# Altium PCB PCB1.PcbDoc (part 1 of 2) (continued)
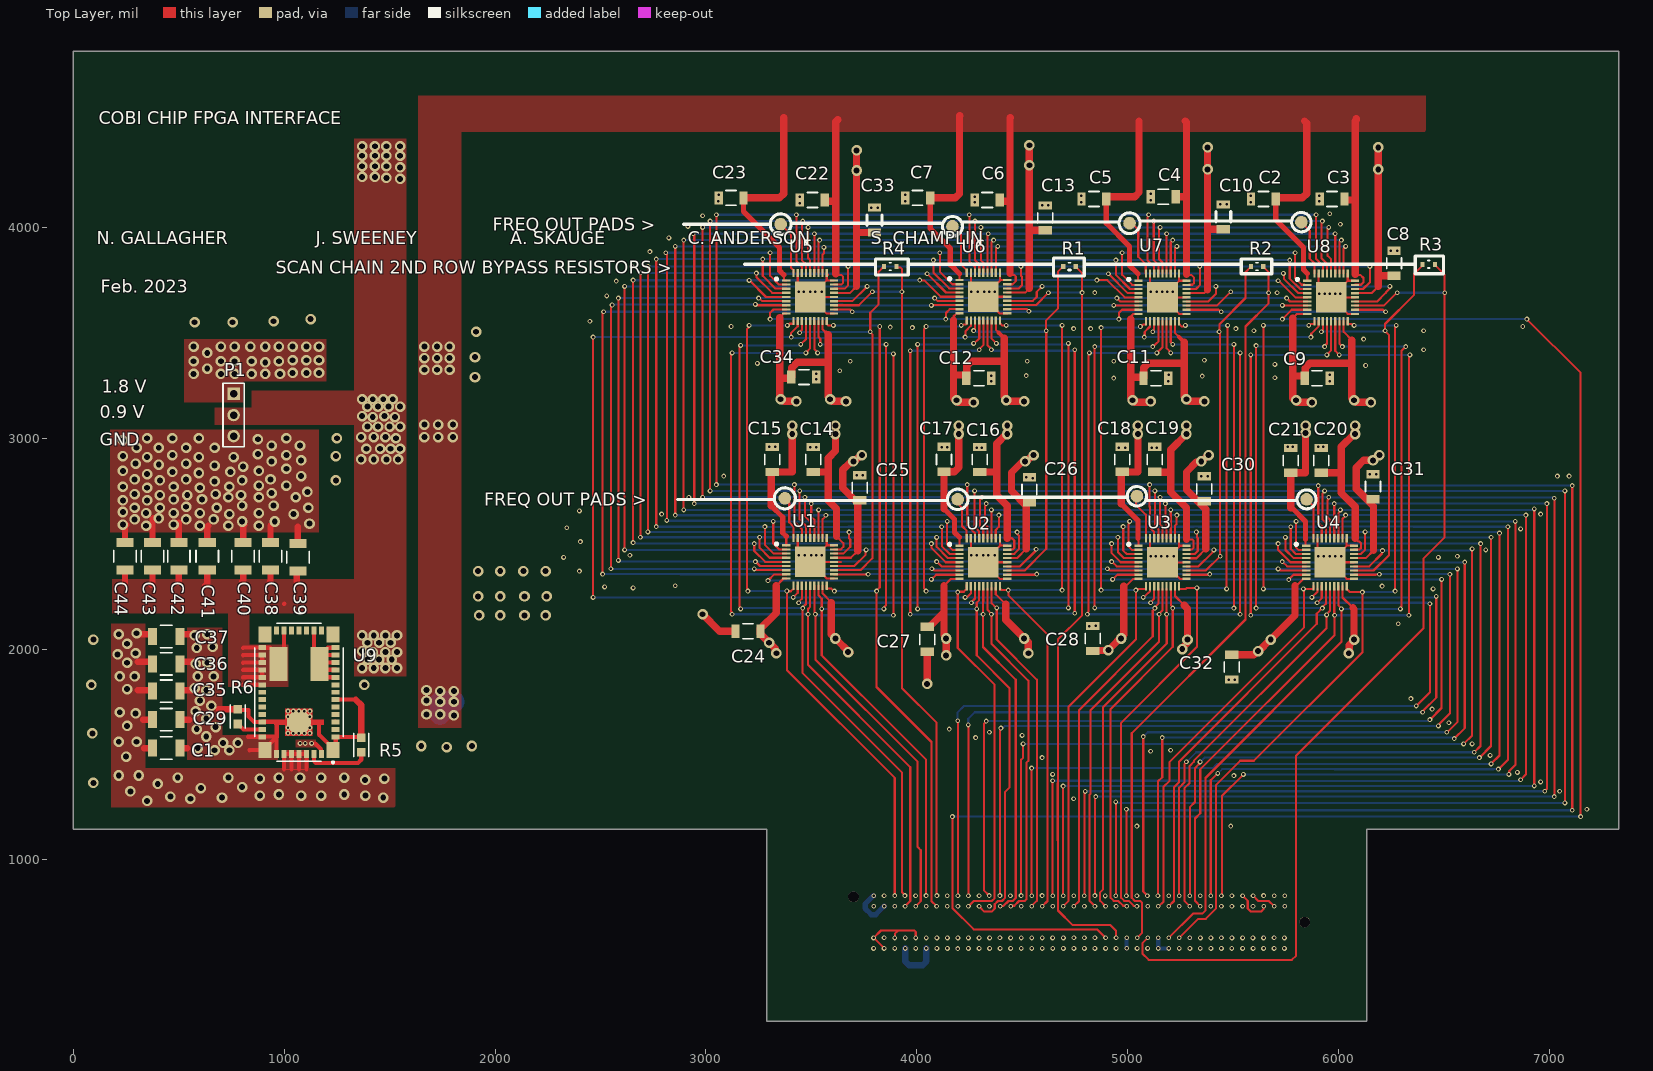
[diagram p0: Top Layer view]
## Part data
C1 C29 C35 C36 C37: library part CMP-2000-05458-2, "CAP CER 22UF 25V X5R 1210", Capacitance=22uF, Manufacturer="Murata Electronics North America", Operating Temperature="-55°C ~ 85°C", Package=GRM32, Package / Case="1210 (3225 Metric)", Standard Package=1,000, Temperature="-55°C to +85°C", Temperature Characteristic=X5R, Temperature Range High=+85°C, Temperature Range Low=-55°C, Tolerance=10%, Voltage - Rated=25V, Applications="General Purpose", Automotive=No, Category=Cap, ComponentLink2Description=Datasheet, ComponentLink2URL=https://search.murata.co.jp/Ceramy/image/img/A01X/G101/ENG/GRM32ER61E226KE15-01A.pdf, Device Class L1="Passive Components", Device Class L2=Capacitors, Device Class L3="Ceramic Capacitors", Digikey Description="CAP CER 22UF 25V X5R 1210", Height=2.7mm, Lead Free=Yes, Manufacturer Part Number=GRM32ER61E226KE15L, Material=Ceramic, Mounting Type="Surface Mount, MLCC", Mouser Description="Multilayer Ceramic Capacitors MLCC - SMD/SMT 1210 22uF 25volts X5R 10%", Octopart=https://octopart.com/grm32er61e226ke15l-murata-197441, Other Names=490-3889-2, Packaging="Cut Tape (CT)", Possible Substitute=GRM32ER61E226KE15K, RoHS=TRUE, Size / Dimension="0.126\" L x 0.098\" W (3.20mm x 2.50mm)", Temperature Coefficient=X5R, Thickness (Max)="0.106\" (2.70mm)", Voltage Rating=25V
C2 C3 C4 C5 C6 C7 C8 C9 C10 C11 C12 C13 C14 C15 C16 C17 C18 C19 C20 C21 C22 C23 C24 C25 C26 C27 C28 C30 C31 C32 C33 C34: library part CMP-04427-004798-1, "General Purpose Ceramic Capacitor, 1206, 100nF, 10%, X7R, 15%, 100V", Capacitance=100nF, Case Code (Imperial)=1206, Case Code (Metric)=3216, Dielectric=X7R, Max Operating Temperature=125°C, Min Operating Temperature=-55°C, Package Quantity=1, Tolerance=10%, Voltage Rating=100V, Case/Package=1206, Construction=Flat, Depth=1.6mm, Features="Soft Termination", Lead Free="Lead Free", Length=3.2mm, Mount="Surface Mount", Number of Pins=2, Packaging="Tape and Reel", Radiation Hardening=No, REACH SVHC="No SVHC", RoHS Compliant=Yes, Series=FLEXITERM®, Termination=SMD/SMT, Thickness=0.05inch, Voltage Rating (DC)=100V, Width=0.063inch
C38 C39 C40 C41 C42 C43 C44: library part CMP-2000-06360-2, "CAP CER 47UF 6.3V X5R 1210", Capacitance=47uF, Case Code (Imperial)=1210, Case Code (Metric)=3225, Dielectric=X5R, Dielectric Material=Ceramic, Insulation Resistance=10.6MR, Max Operating Temperature=85°C, Min Operating Temperature=-55°C, Package Quantity=1, Tolerance=10%, Voltage=6.3V, Case/Package=1210, Construction=Flat, Depth=2.5mm, Height=2.5mm, Lead Free="Lead Free", Length=3.2mm, Mount="Surface Mount", Packaging="Tape and Reel", Radiation Hardening=No, REACH SVHC="No SVHC", RoHS Compliant=Yes, Series=GRM, Termination=SMD/SMT, Thickness=0.106inch, Voltage Rating=6.3V, Voltage Rating (DC)=6.3V, Weight=0.000564oz, Width=2.5mm
J1: library part CMP-02761-000095-1, "CONN ARRAY PLUG 160POS SMD GOLD", Package Quantity=1, Contact Material="Copper Alloy", Contact Plating=Gold, Gender=Male, Mount="Surface Mount", Number of Contacts=160, Number of Positions=160, Number of Rows=4, Packaging="Tape and Reel", Pitch=0.05inch, Radiation Hardening=No, REACH SVHC="No SVHC", Termination=SMD/SMT
P1: "Header, 3-Pin", LatestRevisionDate=17-Jul-2002, LatestRevisionNote="Re-released for DXP Platform.", Publisher="Altium Limited"
R1 R2 R3 R4: library part CMP-2000-01769-2, "RES 0 OHM JUMPER 0603", Case Code (Imperial)=0603, Case Code (Metric)=1608, Max Operating Temperature=155°C, Min Operating Temperature=-55°C, Package Quantity=5000, Power Rating=1W, Resistance=0mR, Resistor Type="Thick Film", Temperature Coefficient=400ppm/°C, Tolerance=1%, Case/Package=0603, Construction=Rectangular, Depth=0.8mm, Height=0.45mm, Lead Free="Lead Free", Length=1.6mm, Military Standard=Not, Packaging="Tape and Reel", RoHS Compliant=Yes, Series=RK73Z, Termination=SMD/SMT, Width=0.8mm
R5: library part CMP-03412-017024-2, "RES 2.87KΩ 1.00% 0.1W 0603", Case Code (Imperial)=0603, Case Code (Metric)=1608, Max Operating Temperature=155°C, Max Power Dissipation=100mW, Min Operating Temperature=-55°C, Resistance=2.87kR, Resistor Type="Thick Film", Temperature Coefficient=100ppm/°C, Tolerance=1%, Voltage Rating=50V, Case/Package=0603, Features="Moisture Resistant", Height=0.022inch, Length=0.063inch, Number of Terminations=2, Packaging="Tape and Reel", Power Rating=100mW, RoHS Compliant=Yes, Series=AC, Termination=SMD/SMT, Weight=7.1E-05oz, Width=0.8mm
R6: library part CMP-03412-017024-2, Case Code (Imperial)=0603, Case Code (Metric)=1608, Max Operating Temperature=155°C, Max Power Dissipation=100mW, Min Operating Temperature=-55°C, Resistance=2.87kR, Resistor Type="Thick Film", Temperature Coefficient=100ppm/°C, Tolerance=1%, Voltage Rating=50V, Case/Package=0603, Features="Moisture Resistant", Height=0.022inch, Length=0.063inch, Number of Terminations=2, Packaging="Tape and Reel", Power Rating=100mW, RoHS Compliant=Yes, Series=AC, Termination=SMD/SMT, Weight=7.1E-05oz, Width=0.8mm
U1 U2 U3 U4 U5 U6 U7 U8: "QFN-36"
U9: library part CMP-04918-000422-1, "DC DC CONVERTER 0.6-5.5V 33W", Case/Package=QFN, Max Input Voltage=14.5V, Max Operating Temperature=85°C, Max Output Current=6A, Max Output Voltage=600mV, Max Power Dissipation=33W, Min Input Voltage=2.95V, Min Input Voltage (DC)=1.6V, Min Operating Temperature=-40°C, Min Output Voltage=5.5V, Operating Supply Current=-1.15uA, Package Quantity=250, Switching Frequency=780kHz, Depth=9.15mm, Efficiency=95%, Features=UVLO, Height=0.11inch, Isolation=Non-Isolated, Lead Free="Lead Free", Length=0.59inch, Max Input Voltage (DC)=14.5V, Min Supply Voltage=2.95V, Mount="Surface Mount", Number of Outputs=1, Number of Pins=47, Output Current=6A, Output Voltage=5.5V, Packaging="Tape and Reel", Radiation Hardening=No, REACH SVHC="No SVHC", RoHS Compliant=Yes, Voltage - Output 1=5.5V, Width=0.35inch

## Free pads (board coordinates)
  round 60 smd: 6(3375,2715) 7(4195,2710) 8(5045,2725) 9(5850,2710) 10(5825,4025) 11(5010,4020) 12(4170,4005) 13(3355,4015)

## Via types
v1: diameter 23, hole 11.9, Top Layer to Bottom Layer, 607 vias
v2: diameter 50/50/50/50 (per signal layer), hole 28, Top Layer to Bottom Layer, 362 vias
v3: diameter 22.1, hole 11.9, Top Layer to Bottom Layer, 76 vias
v4: diameter 23.62, hole 11.81, Top Layer to Bottom Layer, 14 vias

## Nets (pads, with @x,y where several pads share a name; then routed paths per layer and width w, separated by ;. In a path a pad name is that pad's centre, name@x,y a point inside that pad or via, vN(x,y) a via of type N, cw(c..) or ccw(c..) an arc to the next point about the centre after c; other vN are vias at no path point)
3P3V: J1.C39 J1.D36 J1.D38 J1.D40 | length 357.7
  Top Layer w10: v1(3846.03,580) v1(3796.03,630) 3831.03,665 3911.92,665 ; v1(3896.03,630) 3898.17,632.14 3898.17,651.25 3911.92,665 ; v1(3996.03,630) 3996.03,658.08 3989.11,665 3911.92,665
3P3VAUX: J1.D32
  other v1: 4196.03,630
12P0V: C1.1 C29.1 C35.1 C36.1 C37.1 J1.C35 J1.C37 U9.39 U9.40 U9.41 U9.42 | length 946.6
  Top Layer w20: 999.13,1430 U9.39@999.13,1502.68 U9.40@1034.57,1502.68 ; 1034.57,1430 U9.40@1034.57,1502.68 ; 1070,1430 U9.41@1070,1502.68 ; 1105.43,1430 U9.42@1105.43,1502.68 U9.41@1070,1502.68 ; U9.40@1034.57,1502.68 U9.41@1070,1502.68
  Top Layer w30: 305,1805 C35.1@380.04,1805 ; 305,1940 C36.1@380.04,1940 ; v2@305,2070 C37.1@380.04,2070 ; 330,1665 C29.1@375.04,1665 ; 335,1530 C1.1@375.04,1530
  Bottom Layer w30: v1(3946.03,580) 3946.03,517.57 3963.61,500 4028.46,500 4046.03,517.57 v1(4046.03,580)
  other v2: 350,1280 555,1290 705,1295 1470,1295 460,1300 885,1305 1080,1305 1175,1305 1385,1305 975,1310 1285,1310 270,1325 605,1340 800,1345 400,1360 1384.23,1379.5 885,1385 1475,1385 495,1390 735,1390 975,1390 1075,1390 1175,1390 1285,1390 215,1400 310,1400 250,1490 215,1560 300,1560 255,1635 295,1695 220,1700 255,1810 220,1870 290,1870 255,1935 210,1975 295,1980 255,2025 215,2070 300,2075
ADDR_EN_ROW1_QFN: J1.H29 U1.8 U2.8 U3.8 U4.8 | length 7301.8
  Top Layer w10: v1(3295,2325) 3324.33,2354.33 U1.8@3381.61,2354.33 ; v1(4070,2330) 4092.56,2352.56 U2.8@4202.87,2352.56 ; v1(4330,1657.87) 4330,1656.97 4320,1646.97 4320,854.2 4343.55,830.65 v3(4345.12,830.65) ; v1(4930,2330) 4952.56,2352.56 U3.8@5052.87,2352.56 ; v1(5765,2329.72) 5765,2330 5787.56,2352.56 U4.8@5847.87,2352.56 ; v1(6435,1665) 6490,1720 v1(6490,2329.86)
  Bottom Layer w10: v1(3295,2325) 4057.76,2325 4060.62,2327.86 4067.86,2327.86 v1(4070,2330) 4072.14,2327.86 4079.65,2327.86 4082.51,2325 4921.97,2325 v1@4926.97,2330 ; v1(4330,1657.87) 6424.84,1657.87 6431.97,1665 v1(6435,1665) ; v1(4930,2330) v1@5764.73,2330 ; v1@5765.14,2329.86 5765.21,2329.79 6489.93,2329.79 v1(6490,2329.86)
ADDR_EN_ROW2_QFN: J1.D18 U5.8 U6.8 U7.8 U8.8 | length 10727.6
  Top Layer w10: v1@3305,3570 3305,3595 3320.95,3610.95 U5.8@3381.61,3610.95 ; v1(4138.4,3565.08) 4139.29,3565.97 4139.29,3594.29 4157.2,3612.2 U6.8@4203.23,3612.2 ; v1(4170,1205) 4170,770.92 4270.6,670.32 4855.99,670.32 v1(4896.03,630.27) ; v1(4960,3565) 4960,3595 4974.33,3609.33 U7.8@5052.87,3609.33 ; v1(5735,3565) 5779.33,3609.33 U8.8@5852.87,3609.33 ; v1(6895,3565) 7150,3310 v1(7150,1205)
  Bottom Layer w10: v1(3305,3565) v1(3305,3565) 4138.36,3565.04 v1(4138.4,3565.08) ; v1@4139.06,3565 v1(4960,3565) v1(6895,3565) ; v1(4170,1205) v1(7150,1205)
CLK0_M2C_N: J1.G3 J1.H5 | length 171
  Top Layer w10: v3(5546.03,830) 5570.86,805.17 5570.86,769.2 5585.4,754.66 5634.66,754.66 5645,765 5645,778.97 v3(5646.03,780)
CLK0_M2C_P: J1.G2 J1.H4 | length 120.7
  Top Layer w10: v3(5596.03,830) 5621.03,805 5671.03,805 v3(5696.03,780)
COL_ADDR<0>_QFN: J1.H16 U1.34 U2.34 U3.34 U4.34 U5.34 U6.34 U7.34 U8.34 | length 14472.7
  Top Layer w10: v1(3050,2780) v1(3050,4060) ; v1(3420,2780) 3420,2605 3455.63,2569.37 U1.34@3455.63,2526.77 ; v1(3430,4060) 3430,3840 3455.63,3814.37 U5.34@3455.63,3783.39 ; v1(4240,2780) 4240,2586.49 4276.3,2550.19 4276.3,2525.59 U2.34@4276.89,2525 ; v1(4250,4060) 4250,3840 4277.25,3812.75 U6.34@4277.25,3784.65 ; v1(4995.27,1239.92) 4995.12,1239.78 4995.12,830.31 v3(4995.43,830) ; v1(5100,4060) 5097.86,4057.86 5097.86,4050.35 5095,4047.49 5095,3845 5126.89,3813.11 U7.34@5126.89,3781.77 ; v1(5105,2780) 5104.73,2779.72 5104.73,2676.16 5107.2,2673.68 5107.2,2575.01 5126.3,2555.91 5126.3,2525.59 U3.34@5126.89,2525 ; v1(5895,4060) 5895,3850 5926.89,3818.11 U8.34@5926.89,3781.77 ; v1(5905.27,2775.28) 5905,2775 5905,2600 5921.89,2583.11 U4.34@5921.89,2525 ; v1(7110,1235) v1(7110,2775)
  Bottom Layer w10: v1(3050,2780) v1(3420,2780) v1(4240,2780) v1(5105,2780) 5897.25,2780 5899.83,2777.42 5903.13,2777.42 5905.41,2775.14 7109.86,2775.14 v1(7110,2775) ; v1(3050,4060) v1(3430,4060) v1(4250,4060) v1(5100,4060) v1(5895,4060) ; v1(4995.27,1239.92) 4997.42,1237.78 5004.8,1237.78 5007.59,1235 v1(7110,1235)
COL_ADDR<1>_QFN: J1.H17 U1.33 U2.33 U3.33 U4.33 U5.33 U6.33 U7.33 U8.33 | length 14263.6
  Top Layer w10: v1(3020,2750) v1(3020,4030) ; v1(3445.28,2750) 3445,2749.72 3445,2615 3475.32,2584.68 U1.33@3475.32,2526.77 ; v1(3460,4030) 3455.63,4025.63 3455.63,3845 3475.32,3825.32 U5.33@3475.32,3783.39 ; v1(4275,2750) 4275,2579.32 4295.98,2558.34 4295.98,2542.88 4295.98,2538.58 4296.57,2537.99 U2.33@4296.57,2525 ; v1(4276.65,4030) 4276.65,3845 4296.93,3824.72 U6.33@4296.93,3784.65 ; v1(4944.73,1274.72) 4944.95,1274.5 4944.95,830.23 v3(4945.18,830) ; v1(5125,4030) 5125,3845 5146.57,3823.43 U7.33@5146.57,3781.77 ; v1(5130,2750) 5130,2585 5146.57,2568.43 U3.33@5146.57,2525 ; v1(5925,4030) 5920,4025 5920,3855 5946.57,3828.43 U8.33@5946.57,3781.77 ; v1(5935,2749.72) 5935,2746.97 5924.73,2736.7 5924.73,2615.28 5941.57,2598.43 U4.33@5941.57,2525 ; v1(7075,1270) v1(7075,2749.72)
  Bottom Layer w10: v1(3020,2750) v1(3445.28,2750) v1(4275,2750) v1(5130,2750) 5130.14,2749.86 5934.86,2749.86 v1(5935,2749.72) ; v1(3020,4030) v1(3460,4030) v1(4276.65,4030) v1(5125,4030) v1(5925,4030) ; v1(4944.73,1274.72) 4946.87,1272.58 4954.78,1272.58 4957.09,1270.28 6820,1270.28 6820.27,1270 v1(7075,1270) ; v1@5935,2750 5935.27,2749.72 v1(7075,2749.72)
COL_ADDR<2>_QFN: J1.H19 U1.32 U2.32 U3.32 U4.32 U5.32 U6.32 U7.32 U8.32 | length 14059.7
  Top Layer w10: v1(2985,2720) v1(2985,4000) ; v1(3470.28,2720) 3470,2719.72 3470,2630 3495,2605 U1.32@3495,2526.77 ; v1(3485,4000) 3485,3855 3495,3845 U5.32@3495,3783.39 ; v1(4305,4000) 4305,3844.49 4316.61,3832.88 U6.32@4316.61,3784.65 ; v1(4310,2720) 4310,2717.49 4300,2707.49 4300,2582.15 4316.26,2565.89 U2.32@4316.26,2525 ; v1(4845.43,830) 4846.03,830.61 4846.03,1293 4850,1296.97 v1(4850,1300) ; v1(5155,4000) 5150,3995 5150,3850 5166.26,3833.74 U7.32@5166.26,3781.77 ; v1(5155.27,2720) 5155,2719.72 5155,2590 5166.26,2578.74 U3.32@5166.26,2525 ; v1(5954.73,2719.72) 5952.58,2717.58 5952.58,2709.8 5950,2707.21 5950,2625 5961.26,2613.74 U4.32@5961.26,2525 ; v1(5955,4000) 5950,3995 5950,3865 5966.26,3848.74 U8.32@5966.26,3781.77 ; v1(7025,1300) v1(7025,2715)
  Bottom Layer w10: v1(2985,2720) v1(3470.28,2720) v1(4310,2720) v1(5155.27,2720) 5959.62,2720 5959.89,2719.72 7017.25,2719.72 7021.97,2715 v1(7025,2715) ; v1(2985,4000) v1(3485,4000) v1(4305,4000) v1(5155,4000) v1(5955,4000) ; v1(4850,1300) v1(7025,1300)
COL_ADDR<3>_QFN: J1.H20 U1.31 U2.31 U3.31 U4.31 U5.31 U6.31 U7.31 U8.31 | length 13841.9
  Top Layer w10: v1(2940,3970) 2940,3966.97 2945,3961.97 v1(2945,2690) ; v1(3500,2690) 3500,2627.83 3514.68,2613.15 U1.31@3514.68,2526.77 ; U5.31@3514.68,3783.39 3514.68,3969.68 v1@3515,3970 ; v1(4330,2690) 4327.86,2687.86 4327.86,2680.35 4325,2677.49 4325,2590 4335.94,2579.05 U2.31@4335.94,2525 ; U6.31@4336.3,3784.65 4336.3,3966.3 v1(4340,3970) ; v3(4795.32,830) 4797.29,831.97 4797.29,1318.54 4800.22,1321.47 v1(4800.22,1324.49) ; v1(5180.27,2690) 5180,2689.72 5180,2600 5185.94,2594.05 U3.31@5185.94,2525 ; v1@5185,3970 5185.94,3969.05 U7.31@5185.94,3781.77 ; U4.31@5980.95,2525.01 v1@5980.95,2689.99 ; v1(5985,3970) 5985.94,3969.05 U8.31@5985.94,3781.77 ; v1(6980,1325.28) 6980,1327.79 6990,1337.79 v1(6990,2690)
  Bottom Layer w10: v1(2940,3970) v1(4340,3970) v1(5185.94,3970) v1(5985,3970) ; v1(2945,2690) v1(3500,2690) v1(4330,2690) v1(5180.27,2690) v1(6990,2690) ; v1(4800.22,1324.49) 4801,1325.28 v1(6980,1325.28)
  other v1: 5980.94,2690 3515,3969.68
COL_ADDR<4>_QFN: J1.H22 U1.30 U2.30 U3.30 U4.30 U5.30 U6.30 U7.30 U8.30 | length 13693.9
  Top Layer w10: v1(2895,2660.14) v1(2895,3940) ; U5.30@3534.37,3783.39 3534.37,3934.37 v1(3540,3940) ; U1.30@3534.37,2526.77 3534.38,2659.51 v1(3535,2660.14) ; v1(4355,2660.28) 4355.9,2659.37 4355.9,2625.15 4355.63,2624.88 U2.30@4355.63,2525 ; U6.30@4355.98,3784.65 4355.98,3930.98 v1(4365,3940) ; v1(4694.73,1349.72) 4694.85,1349.6 4694.85,830.38 v3(4695.23,830) ; v1(5205.27,2660.28) 5205.62,2659.93 U3.30@5205.63,2525 ; U7.30@5205.63,3781.77 5205.63,3930.63 v1(5215,3940) ; U4.30@6000.63,2525 6000.63,2644.37 6008.57,2652.31 6008.57,2658.13 v1(6010.71,2660.28) ; U8.30@6005.63,3781.77 6005.63,3930.63 v1(6015,3940) ; v1(6930,1350.55) v1(6930,2664.72)
  Bottom Layer w10: v1(2895,2660.14) v1(3535,2660.14) ; v1(2895,3940) v1(3540,3940) v1(4365,3940) v1(5215,3940) v1(6015,3940) ; v1@3535.14,2660.14 4354.86,2660.14 v1(4355,2660.28) ; v1@4355.27,2660.28 v1(5205.27,2660.28) ; v1(4694.73,1349.72) 4696.87,1351.87 4704.13,1351.87 4704.63,1352.37 4707.24,1349.77 6675,1349.77 6675.78,1350.55 v1(6930,1350.55) ; v1@5205.82,2660.28 v1(6010.71,2660.28) ; v1@6010.99,2660.28 6922.52,2660.28 6926.97,2664.72 v1(6930,2664.72)
COL_ADDR<5>_QFN: J1.H23 U1.29 U2.29 U3.29 U4.29 U5.29 U6.29 U7.29 U8.29 | length 13503.8
  Top Layer w10: v1(2855,2635) v1(2855,3910) ; U1.29@3554.05,2526.77 3554.05,2615.89 3570,2631.83 v1(3570,2634.86) ; U5.29@3554.05,3783.39 3554.05,3870.15 3559.96,3876.06 3559.96,3905.24 v1(3560,3905.28) ; U2.29@4375.31,2525 4375.31,2564.88 4390,2579.56 v1(4390,2635) ; U6.29@4375.67,3784.65 4375.67,3900.67 v1(4385,3910) ; v1(4645.27,1375) 4644.95,1374.67 4644.95,830.62 v3(4645.57,830) ; U3.29@5225.31,2525 5225.31,2584.88 5232.86,2592.42 5232.86,2632.86 v1(5235,2635) ; U7.29@5225.31,3781.77 5225.31,3900.32 v1(5235,3910) ; U4.29@6020.31,2525 6020.31,2617.29 6035,2631.97 v1(6035,2635) ; U8.29@6025.31,3781.77 6025.31,3900.32 v1(6035,3910) ; v1(6865,1380) 6890,1405 v1(6890,2635)
  Bottom Layer w10: v1(2855,2635) 2855.14,2634.86 v1(3570,2634.86) 3570.07,2634.93 4389.93,2634.93 v1(4390,2635) v1(5235,2635) v1(6890,2635) ; v1(2855,3910) 3552.25,3910 3556.97,3905.28 v1(3560,3905.28) ; v1@3560,3910 v1(4385,3910) v1(5235,3910) v1(6035,3910) ; v1(4645.27,1375) 5287.06,1375 5287.34,1374.72 6856.7,1374.72 6861.97,1380 v1(6865,1380)
DP0_C2M_N: J1.C3
  other v1: 5646.03,580
DP0_C2M_P: J1.C2
  other v1: 5696.03,580
DP0_M2C_N: J1.C7
  other v1: 5446.03,580
DP0_M2C_P: J1.C6
  other v1: 5494.73,580
FREQ_OUT_CHIP1_QFN: pad.6 U1.36 | length 205.3
  Top Layer w10: pad.6@3375,2715 3395.63,2694.37 3395.63,2601.54 3416.26,2580.91 U1.36@3416.26,2526.77
FREQ_OUT_CHIP2_QFN: pad.7 U2.36 | length 202.6
  Top Layer w10: pad.7@4195,2710 4195,2690 4215,2670 4215,2583.66 4237.52,2561.14 U2.36@4237.52,2525
FREQ_OUT_CHIP3_QFN: pad.8 U3.36 | length 221.8
  Top Layer w10: pad.8@5045,2725 5040,2720 5040,2685 5087.52,2637.48 U3.36@5087.52,2525
FREQ_OUT_CHIP4_QFN: pad.9 U4.36 | length 198.5
  Top Layer w10: pad.9@5850,2710 5882.52,2677.48 U4.36@5882.52,2525
FREQ_OUT_CHIP5_QFN: pad.10 U8.36 | length 269.1
  Top Layer w10: pad.10@5825,4025 5865,3985 5865,3852.17 5887.52,3829.65 U8.36@5887.52,3781.77
FREQ_OUT_CHIP6_QFN: pad.11 U7.36 | length 273.3
  Top Layer w10: pad.11@5015,4025 5051.26,3988.74 5051.26,3860.91 5085,3827.17 5085,3825 5086.93,3823.07 5086.93,3782.36 U7.36@5087.52,3781.77
FREQ_OUT_CHIP7_QFN: pad.12 U6.36 | length 248.5
  Top Layer w10: pad.12@4170,4005 4210,3965 4210,3825.51 4237.87,3797.64 U6.36@4237.87,3784.65
FREQ_OUT_CHIP8_QFN: pad.13 U5.36 | length 257
  Top Layer w10: pad.13@3355,4015 3405,3965 3405,3807.64 3416.26,3796.38 U5.36@3416.26,3783.39
GA0: J1.C34
  other v1: 4096.03,580
GA1: J1.D35
  other v1: 4046.03,630
GBTCLK0_M2C_N: J1.D5
  other v1: 5546.58,630
GBTCLK0_M2C_P: J1.D4
  other v1: 5595,630
GND: C1.2 C2.2 C3.2 C4.2 C5.2 C6.2 C7.2 C8.2 C9.2 C10.2 C11.2 C12.2 C13.2 C14.2 C15.2 C16.2 C17.2 C18.2 C19.2 C20.2 C21.2 C22.2 C23.2 C24.2 C25.2 C27.2 C28.2 C29.2 C30.2 C31.2 C32.2 C33.2 C34.2 C35.2 C36.2 C37.2 C38.2 C39.2 C40.2 C41.2 C42.2 C43.2 C44.2 J1.C1 J1.C4 J1.C5 J1.C8 J1.C9 J1.C12 J1.C13 J1.C16 J1.C17 J1.C20 J1.C21 J1.C24 J1.C25 J1.C28 J1.C29 J1.C32 J1.C33 J1.C36 J1.C38 J1.C40 J1.D2 J1.D3 J1.D6 J1.D7 J1.D10 J1.D13 J1.D16 J1.D19 J1.D22 J1.D25 J1.D28 J1.D37 J1.D39 J1.G1 J1.G4 J1.G5 J1.G8 J1.G11 J1.G14 J1.G17 J1.G20 J1.G23 J1.G26 J1.G29 J1.G32 J1.G35 J1.G38 J1.G40 J1.H3 J1.H6 J1.H9 J1.H12 J1.H15 J1.H18 J1.H21 J1.H24 J1.H27 J1.H30 J1.H33 J1.H36 J1.H39 P1.3 R5.1 R6.2 U1.19 U1.23 U1.27 U1.28 U1.35 U2.19 U2.23 U2.27 U2.28 U2.35 U3.19 U3.23 U3.27 U3.28 U3.35 U4.19 U4.23 U4.27 U4.28 U4.35 U5.19 U5.23 U5.27 U5.28 U5.35 U6.19 U6.23 U6.27 U6.28 U6.35 U7.19 U7.23 U7.27 U7.28 U7.35 U8.19 U8.23 U8.27 U8.28 U8.35 U9.1 U9.2 U9.7 U9.34 U9.36 U9.37 U9.38 U9.45 | length 7541
  Top Layer w10: U9.1@1231.42,1521.38 U9.1@1244.21,1534.17 ; U1.35@3435.95,2526.77 3435.95,2472.44 3451.83,2456.56 ; U5.35@3435.95,3783.39 3435.95,3729.05 3495,3670 ; v1(3440,2444.72) 3451.83,2456.56 ; v1(3525,2444.72) v1@3525.67,2444.06 ; v1(3550,2444.72) 3549.72,2445 v1@3526.61,2445 ; U1.28@3573.74,2526.77 3573.74,2492.13 ; U5.28@3573.74,3783.39 U5.28@3573.74,3775.28 ; U5.28@3578.74,3775.28 U5.28@3573.74,3775.28 ; U1.19@3608.39,2334.65 3573.74,2334.65 3470,2438.39 v1(3470,2444.72) 3458.17,2456.56 3451.83,2456.56 ; U1.27@3608.39,2492.13 3573.74,2492.13 ; U5.19@3608.39,3591.26 3573.74,3591.26 3495,3670 ; U5.23@3608.39,3670 3495,3670 ; U5.27@3608.39,3748.74 3573.74,3748.74 ; 3640,2413.39 U1.23@3608.39,2413.39 3495,2413.39 v1@3525.67,2444.06 ; U2.35@4257.2,2511.42 4257.2,2477.8 4275.14,2459.86 ; U6.35@4257.56,3782.44 4257.56,3728.11 4316.61,3669.05 ; v1(4260,2444.72) 4275.14,2459.86 ; 4316.61,2418.39 4316.26,2418.39 ; 4319.82,2415.18 v1@4349.37,2444.72 ; v1@4339.86,2444.86 v1(4340,2444.72) ; v1(4370,2444.72) v1@4349.37,2444.72 ; 4395.35,2495 4395.35,2490.71 v1@4349.37,2444.72 ; 4395.35,2496.34 U2.28@4395.35,2529.65 ; U6.28@4395.35,3782.44 4395.35,3747.79 ; 4396.69,2496.34 4402.08,2490.94 4429.06,2490.94 U2.27@4429.65,2490.35 ; U6.23@4416.42,3671.26 4318.82,3671.26 ; U2.23@4429.65,2411.61 4316.26,2411.61 ; U2.19@4430,2332.87 U2.19@4429.65,2332.87 4395,2332.87 4316.26,2411.61 ; U6.19@4430,3592.52 4393.15,3592.52 4383.54,3602.12 4383.54,3604.33 4318.82,3669.05 4316.61,3669.05 ; U6.27@4430,3750 4397.56,3750 4395.35,3747.79 ; U3.35@5107.2,2525 5107.2,2470.67 5166.26,2411.61 ; U7.35@5107.2,3781.77 5107.2,3727.44 5166.26,3668.39 ; 5171.09,2406.78 5233.54,2344.33 5238.02,2344.33 5249.83,2332.52 U3.19@5280,2332.52 ; 5171.18,2411.18 5171.18,2411.61 ; 5171.18,2416.53 5233.19,2478.54 5238.54,2478.54 5250,2490 U3.27@5266.06,2490 ; 5175.82,2411.18 U3.23@5266.42,2411.18 ; U7.28@5245,3781.77 5245,3747.13 ; 5245.35,2490 U3.28@5245.35,2524.65 ; U7.19@5279.65,3589.65 5245,3589.65 5166.26,3668.39 ; U7.23@5279.65,3668.39 5240,3668.39 5166.26,3668.39 ; U7.27@5279.65,3747.13 5245,3747.13 ; U4.35@5902.2,2525 5902.2,2470.67 v1(5931.73,2441.14) 5961.26,2411.61 ; U8.35@5907.2,3781.77 5907.2,3727.44 5966.26,3668.39 ; U4.28@6040,2525 6040,2490.35 ; U8.28@6045,3781.77 6045,3747.13 ; U4.19@6074.65,2332.87 6040,2332.87 5961.26,2411.61 ; U4.23@6074.65,2411.61 5961.26,2411.61 ; U4.27@6074.65,2490.35 6040,2490.35 ; U8.19@6079.65,3589.65 6045,3589.65 5966.26,3668.39 ; U8.23@6079.65,3668.39 5966.26,3668.39 ; U8.27@6079.65,3747.13 6045,3747.13 ; 3495,3670 v1(3520,3695) 3573.74,3748.74 ; v1@3525.67,2444.06 v1@3526.61,2445 ; v1@3526.61,2445 3573.74,2492.13 ; 3573.74,3748.74 U5.28@3573.74,3775.28 ; 4275.14,2459.86 4285.27,2449.72 4285.27,2445 v1(4285,2444.72) 4311.34,2418.39 4316.26,2418.39 ; 4316.26,2411.61 4316.26,2418.39 ; 4316.26,2418.39 4316.26,2421.26 4316.81,2421.26 4340.27,2444.72 v1@4349.37,2444.72 ; 4316.61,3669.05 4318.82,3671.26 ; 4318.82,3671.26 4395.35,3747.79 ; 5166.26,3668.39 5245,3747.13 ; 5961.26,2411.61 6040,2490.35 ; 5966.26,3668.39 6045,3747.13
  Top Layer w19.68: R6.2@780,1714.03 784.03,1710 830,1710 830,1680 856.73,1653.27 U9.34@895.79,1653.27 897.52,1655 953.47,1655 965,1643.47 965,1584.37 ; 828.81,1583.7 U9.36@894.49,1583.7 ; 835,1520 836.38,1521.38 U9.37@908.58,1521.38 908.58,1527.28 963.7,1582.4 U9.38@963.7,1502.68 ; U9.36@895.79,1582.4 897.76,1584.37 965,1584.37 ; 965,1582.4 965,1584.37 ; 1165,1655 1165,1593.7 1231.42,1527.28 U9.1@1231.42,1521.38 ; U9.7@1244.21,1759.57 1244.43,1759.78 1339.78,1759.78
  Top Layer w20: U9.1@1244.21,1534.17 U9.2@1244.21,1582.4 R5.1@1361.63,1582.4
  Top Layer w30: C44.2@245,2504.96 245,2585 v2@250,2590 ; C43.2@375,2504.96 375,2615 v2@380,2620 ; C42.2@500,2504.96 500,2600 ; C1.2@504.96,1530 540,1530 ; C29.2@504.96,1665 550,1665 ; C35.2@509.96,1805 v2@575,1805 ; C36.2@509.96,1940 v2@580,1940 ; C37.2@509.96,2070 v2@580,2070 ; C41.2@635,2504.96 635,2580 640,2585 ; 690,1714.03 R6.2@780,1714.03 ; C40.2@805,2504.96 805,2585 v2@810,2590 ; C38.2@935,2504.96 935,2585 ; C39.2@1065,2499.96 1065,2580 ; 1339.78,1759.78 1365,1734.57 1365,1584.87 1362.53,1582.4 R5.1@1361.63,1582.4
  Top Layer w35: v2(2985,2165) 3065,2085 C24.2@3140.94,2085 ; v2@4050,1830 v2(4050,1835) C27.2@4050,1986.89
  Bottom Layer w19.68: J1.G40@3795.52,779.48 v3(3796.03,780) ; v1(3845.52,630.52) J1.D39@3846.03,630 ; J1.G38@3895.52,779.48 v3(3896.03,780) ; J1.D37@3945.52,630.52 v1(3946.03,630) ; J1.G35@4045.52,779.48 v1(4046.03,780) ; v1(4194.98,578.94) J1.C32@4196.03,580 ; J1.G32@4195.52,779.48 v3(4196.03,780) ; v3(4345.48,779.45) J1.G29@4346.03,780 ; v1(4394.73,630.52) 4395.24,630 J1.D28@4396.03,630 ; J1.C28@4395,578.97 v1(4396.03,580) ; J1.G26@4495.52,779.48 v3(4496.03,780) ; J1.G23@4645.52,779.48 v3(4646.03,780) ; J1.D22@4695.52,630.52 v1(4696.03,630) ; J1.G20@4795.52,779.48 v3(4796.03,780) ; v1(4845.52,630.52) J1.D19@4846.03,630 ; J1.G17@4945.52,779.48 v3(4946.03,780) ; v3(4996.03,580) v3(4996.03,630) ; J1.G14@5095.52,779.48 v3(5096.03,780) ; v3(5146.03,630) v1(5146.03,580) v1(5196.03,580) ; J1.G11@5245.52,779.48 v3(5246.03,780) ; v1(5295.52,630.52) J1.D10@5296.03,630 ; J1.C9@5344.98,578.94 v1(5345.5,579.47) J1.C9@5346.03,580 ; J1.G8@5395.52,779.48 v3(5396.03,780) ; v1(5445.52,630.52) J1.D7@5446.03,630 ; J1.D6@5495.52,630.52 v1(5496.03,630) ; J1.G5@5545.52,779.48 v3(5546.03,780) ; v3(5595.68,779.48) 5596.03,779.83 J1.G4@5596.03,780 ; J1.D3@5645.52,630.52 v1(5646.03,630) ; v3(5645.52,830.52) J1.H3@5646.03,830 ; v1(5695.52,630.52) J1.D2@5696.03,630 ; v1(5745,580) J1.C1@5746.03,580 ; J1.G1@5745.52,779.48 v3(5746.03,780)
  other v1: 4546.03,579.45 4596.03,579.45 4746.03,579.45 4796.03,579.45 3796.03,580 3896.03,580 3996.03,580 4146.03,580 4346.03,580 4946.03,580 5396.03,580 5546.58,580 5596.03,580 4546.03,630 4595.48,830 5045,1160 5490,1160 7180,1240 4745,1290 7050,1325 6960,1370 5505,1400 4644.95,1405 6850,1415 4595,1485 6720,1495 5110,1515 5205,1520 6635,1550 4280,1580 4500,1590 4345,1605 4155,1620 6525,1650 6445,1715 6345,1765 5480,1855 5510,1855 4820,2109.06 4850,2110 6285,2120 6450,2285 2655,2290 2520,2295 6207.86,2298.23 2855,2300 2400,2370 2325,2435 6475,2435 5110,2440 5135,2440 5160,2440 5190,2440 5220,2440 5905,2440 5960,2440 5985,2440 6565,2440 6015,2441.14 2640,2445 3500,2444.72 4315,2444.72 6700,2470 2405,2510 6865,2570 2340,2575 2790,2640 6960,2640 2400,2655 2920,2720 4550,2810 4520,2815 5350,2819.06 5380,2819.06 3085,2820 7040,2820 7095,2820 3745,2824.06 3715,2825 6150,2829.06 6180,2829.06 4285,2955 4310,2955 4960,2955 4990,2955 5115,2955 5140,2955 3495,2958.11 3525,2958.11 4120,2958.11 4145,2958.11 3300,2960 3330,2960 5760,2960 5785,2960 5905,2960 5930,2960 4355,3270 5194.06,3270 5959.06,3270 3525,3280 4935,3285 5700,3287.19 5355,3295 4354.06,3296.81 4520,3296.81 5195,3300 5960,3300 3525,3305 3635,3320 6130,3345 5700,3350 3245,3355 3685,3365 4525,3365 4935,3365 5365,3370 6405,3420 6120,3470 5600,3510 6405,3510 4745,3520 4825,3520 5515,3520 3980,3525 3875,3527.21 3120,3530 6875,3530 2450,3555 2530,3675 5910,3685 5935,3685 5960,3685 5985,3685 6010,3685 5710,3690 4845,3690.95 3440,3695 3465,3694.72 3495,3694.72 3550,3694.72 4260,3694.72 4290,3694.72 4320,3694.72 4345,3694.72 4370,3694.72 5110,3695 5140,3695 5165,3695 5190,3695 5215,3695 2575,3745 2650,3815 2735,3885 6250,3890 6280,3890 2825,3950 2915,4005 6010,4015 2985,4055 5960,4065 3785,4094.06 3815,4094.06 4595,4104.06 4625,4105 5440,4110 5470,4110 3445.94,4115 4276.65,4120 4781.89,4120 5585,4120 3060,4125 3945,4125 5910,4125 5110,4130 3445.94,4145 4275.94,4145 4781.89,4150 5585.94,4150 5910,4150 3060.94,4155 3945.94,4155 5110.94,4160
  other v2: 95,1365 670,1520 740,1520 590,1530 1770,1535 1650,1540 1890,1540 710,1555 780,1555 630,1585 90,1600 585,1620 675,1630 630,1670 580,1705 655,1730 600,1755 630,1805 575,1815 85,1830 1380,1830 590,1870 665,1870 580,1930 635,1935 585,2005 660,2010 95,2045 575,2065 635,2070 1925,2160 2025,2160 2140,2160 2240,2160 1920,2250 2025,2250 2140,2250 2245,2250 1920,2370 2025,2370 2135,2370 2240,2370 345,2585 600,2585 735,2585 880,2585 235,2590 475,2590 1120,2595 800,2605 955,2605 290,2615 535,2615 665,2615 405,2620 740,2640 1045,2640 345,2645 475,2645 600,2645 880,2645 235,2650 290,2670 410,2670 680,2670 1115,2670 535,2675 800,2680 950,2680 235,2705 350,2705 475,2710 610,2710 735,2720 880,2720 1055,2720 410,2730 540,2730 795,2730 290,2735 675,2735 940,2740 1110,2745 350,2765 600,2765 235,2770 475,2770 740,2770 880,2775 1010,2775 670,2795 410,2800 800,2800 1245,2800 290,2805 535,2805 935,2805 1080,2820 350,2830 595,2835 470,2840 745,2840 235,2845 880,2845 1010,2855 805,2865 670,2870 405,2875 295,2880 535,2880 940,2890 1080,2895 350,2910 595,2910 760,2910 235,2915 1245,2915 470,2920 1010,2920 875,2925 300,2955 405,2955 535,2955 670,2955 940,2965 1075,2965 235,2990 875,2995 350,3000 470,3000 595,3000 1010,3000 1250,3000 1905,3290 1905,3385 1910,3505 575,3550 755,3550 950,3555 1125,3565
  other v3: 4895.52,828.56 3845.63,830.4 3994.94,830 4145.18,830 4296.03,830 4445.18,830 4744.88,830 5045.18,830 5195.88,830 5345.52,830 5496.03,830
  other v4: 1018.03,1601.3 1044.02,1601.3 1070,1601.3 1095.98,1601.3 1121.97,1601.3 1018.03,1627.28 1121.97,1627.28 1018.03,1679.25 1121.97,1679.25 1018.03,1705.24 1044.02,1705.24 1070,1705.24 1095.98,1705.24 1121.97,1705.24
LA00_N_CC: J1.G7
  other v3: 5446.03,780
LA00_P_CC: J1.G6
  other v3: 5496.03,780
LA01_N_CC: J1.D9
  other v1: 5346.03,630
LA01_P_CC: J1.D8
  other v1: 5396.03,630
LA06_N: J1.C11
  other v1: 5246.03,580
LA06_P: J1.C10
  other v1: 5296.03,580
LA10_N: J1.C15
  other v1: 5045.48,580
LA10_P: J1.C14
  other v1: 5096.03,580
LA14_N: J1.C19
  other v1: 4846.03,579.73
LA14_P: J1.C18
  other v1: 4896.03,579.45
LA17_N_CC: J1.D21
  other v1: 4746.03,630.27
LA17_P_CC: J1.D20
  other v1: 4796.03,630.52
LA18_N_CC: J1.C23
  other v1: 4646.03,579.45
LA18_P_CC: J1.C22
  other v1: 4696.03,579.45
LA23_N: J1.D24
  other v1: 4596.03,630
LA23_P: J1.D23
  other v1: 4644.73,630
LA26_N: J1.D27
  other v1: 4446.03,630
LA26_P: J1.D26
  other v1: 4496.03,630
LA27_N: J1.C27
  other v1: 4446.03,579.45
LA27_P: J1.C26
  other v1: 4496.03,579.45
LA31_P: J1.G33
  other v3: 4145.18,780
NetR5_2: R5.2 U9.43 | length 302.7
  Top Layer w20: U9.43@1140.87,1502.68 1140.87,1469.13 1150,1460 1350,1460 1365,1475 R5.2@1365,1510
NetR6_1: R6.1 U9.35 | length 127.6
  Top Layer w11.81: R6.1@780,1645 780,1644.08 794.02,1630.06 R6.1@794.94,1630.06
  Top Layer w20: R6.1@794.94,1630.06 807.17,1617.83 U9.35@895.79,1617.83
NetU9_10: U9.10 U9.11 U9.12 U9.13 U9.14 U9.17 U9.46 | length 667.7
  Top Layer w20: U9.17@1140.87,2087.32 1140.87,1954.45 U9.46@1167.44,1927.87 ; U9.46@1176.3,1936.73 U9.12@1244.21,1936.73 ; U9.10@1244.21,1865.87 1200.75,1865.87 1167.44,1899.17 U9.46@1167.44,1927.87 ; U9.11@1244.21,1901.3 1194.02,1901.3 U9.46@1167.44,1927.87 ; U9.13@1244.21,1972.17 1200.75,1972.17 U9.46@1167.44,1938.86 ; U9.14@1244.21,2007.6 1242.4,2005.79 1207.95,2005.79 1167.44,1965.28 U9.46@1167.44,1938.86 ; U9.46@1167.44,1927.87 U9.46@1167.44,1938.86
PG_C2M: J1.D1
  other v1: 5745,630
PRSNT_M2C_L: J1.H2
  other v3: 5696.03,830
ROSC_EN_QFN: J1.H26 U1.22 U2.22 U3.22 U4.22 U5.22 U6.22 U7.22 U8.22 | length 14156.5
  Top Layer w10: v1(2615,2470) v1(2615,3720) ; U1.22@3608.39,2393.7 3703.7,2393.7 3757.86,2447.86 3757.86,2467.86 v1(3760,2470) ; U5.22@3608.39,3650.32 3695.32,3650.32 v1(3765,3720) ; U2.22@4429.65,2391.93 4490.66,2391.93 4561.38,2462.64 4561.38,2464.97 4566.97,2470.57 v1(4566.97,2473.59) ; U6.22@4430,3651.57 4551.57,3651.57 4569.72,3669.72 4569.72,3693.97 4595,3719.25 v1(4595,3720) ; v1(4495.27,830.1) 4495.07,830.3 4495.07,1473.93 4505,1483.85 v1(4505,1550) ; U3.22@5279.65,2391.93 5337.43,2391.93 5404.4,2458.9 5404.4,2461.38 5410,2466.97 v1(5410,2470) ; U7.22@5279.65,3648.7 5383.7,3648.7 5420,3685 v1(5420,3720) ; U4.22@6074.65,2391.93 6146.93,2391.93 6207.86,2452.86 6207.86,2465.1 v1(6210,2467.24) ; U8.22@6079.65,3648.7 6185.05,3648.7 6226.13,3689.78 6226.13,3691.13 6242.86,3707.86 6242.86,3717.86 v1(6245,3720) ; v1(6595,1550) 6635,1590 v1(6635,2474.72)
  Bottom Layer w10: v1(2615,2470) v1(3760,2470) 3761.8,2471.8 4565.18,2471.8 v1(4566.97,2473.59) 4568.77,2471.8 5408.2,2471.8 v1(5410,2470) 5411.38,2468.62 6208.62,2468.62 v1(6210,2467.24) 6624.49,2467.24 6631.97,2474.72 v1(6635,2474.72) ; v1(2615,3720) v1(3765,3720) v1(4595,3720) 4595.27,3720.28 5416.08,3720.28 v1@5416.39,3720.58 ; v1(4505,1550) v1(6595,1550) ; v1@5416.97,3720 v1(6245,3720)
ROW_ADDR<0>_QFN: J1.H7 U1.2 U2.2 U3.2 U4.2 U5.2 U6.2 U7.2 U8.2 | length 12887.5
  Top Layer w10: v1(2810,3880) 2810,3876.97 2815,3871.97 v1(2815,2610) ; v1(3305,3880) 3305,3770 3345.94,3729.06 U5.2@3381.61,3729.06 ; v1(3320,2605) 3320,2500 3347.56,2472.44 U1.2@3381.61,2472.44 ; v1(4110,3880) 4110,3790 4169.69,3730.32 U6.2@4203.23,3730.32 ; v1(4145,2605.55) 4145,2495 4169.33,2470.67 U2.2@4202.87,2470.67 ; v1(4975,3880) 4975,3775 5022.56,3727.44 U7.2@5052.87,3727.44 ; v1(5010,2605.28) 5007.86,2603.13 5007.86,2595.62 5005,2592.76 5005,2486.93 5021.26,2470.67 U3.2@5052.87,2470.67 ; v3(5446.03,830) 5448,831.97 5448,1303 v1@5549.18,1404.18 ; v1(5795,3880) 5795,3760 5826.97,3728.03 5839.29,3728.03 5839.88,3727.44 U8.2@5852.87,3727.44 ; v1(5800,2605.28) 5800.27,2605 5800.27,2481.07 5810.67,2470.67 U4.2@5847.87,2470.67 ; v1(6810,1405.28) 6811.49,1406.76 6811.49,1421.49 6840,1450 v1(6840,2605)
  Bottom Layer w10: v1(2810,3880) v1(3305,3880) v1(5795,3880) ; v1(2815,2610) 2816.61,2608.39 3313.58,2608.39 3316.97,2605 3317.25,2605.28 4144.73,2605.28 v1(4145,2605.55) ; v1@4145,2605 4145.82,2605.82 5009.45,2605.82 v1(5010,2605.28) v1(5800,2605.28) 5800.14,2605.14 6839.86,2605.14 v1(6840,2605) ; v1(5550,1405) 5550.14,1405.14 6809.86,1405.14 v1(6810,1405.28)
ROW_ADDR<1>_QFN: J1.H8 U1.3 U2.3 U3.3 U4.3 U5.3 U6.3 U7.3 U8.3 | length 13011.4
  Top Layer w10: v1(2765,2580.55) v1(2765,3850) ; v1(3270,3850) 3270,3770 3330.63,3709.37 U5.3@3381.61,3709.37 ; v1(3280,2580.55) 3280,2495 3322.24,2452.76 U1.3@3381.61,2452.76 ; v1(4080,3845) 4080,3785 4154.37,3710.63 U6.3@4203.23,3710.63 ; v1(4118.07,2580) 4120,2578.07 4120,2487.83 4156.85,2450.98 U2.3@4202.87,2450.98 ; v1(4945,3845) 4945,3775 5012.24,3707.76 U7.3@5052.87,3707.76 ; v1(4979.73,2580.55) 4980,2580.28 4980,2466.92 4995.94,2450.97 U3.3@5039.29,2450.97 ; v3(5395.18,829.96) 5395.18,1377.46 5427.89,1410.17 v1(5428.15,1410.17) ; v1(5769.73,3845) 5770,3844.72 5770,3757.17 5819.41,3707.76 U8.3@5852.87,3707.76 ; v1(5775,2580) 5775,2485 5774.89,2484.89 5774.89,2475.11 5799.02,2450.98 U4.3@5847.87,2450.98 ; v1(6760,1430.55) 6805,1475.55 v1(6805,2579.72)
  Bottom Layer w10: v1(2765,2580.55) 2765.55,2580 3279.45,2580 v1(3280,2580.55) ; v1(2765,3850) 4071.97,3850 4076.97,3845 v1(5769.73,3845) ; v1@3280,2580 3280.28,2579.72 3673.98,2579.72 3674.53,2580.28 4117.52,2580.28 v1@4117.8,2580 ; v1(4118.07,2580) 4118.35,2580.28 4979.45,2580.28 v1(4979.73,2580.55) 4980.27,2580 5316.68,2580 5317.1,2580.41 5338.04,2580.41 5338.45,2580 v1(5775,2580) ; v1(5428.15,1410.17) 5429.13,1410.17 5449.3,1430.34 5981.87,1430.34 5982.49,1429.72 6735.47,1429.72 6736.29,1430.55 v1(6760,1430.55) ; v1@5775.55,2580 5958.84,2580 5959.39,2580.55 6356.83,2580.55 6357.38,2580 6804.73,2580 v1(6805,2579.72)